# Altium PCB PCB_proj_module.PcbDoc (part 2 of 3)
Units mil, origin at the board's own origin, x right, y up, seen from the top; angles counter-clockwise.
Board outline 6000 x 4000 mil, 2 copper layers (Top Layer, Bottom Layer); 512 components, 452 nets, 1877 pads, 0 vias.
Unrouted connection lines stored in the file: 1267.
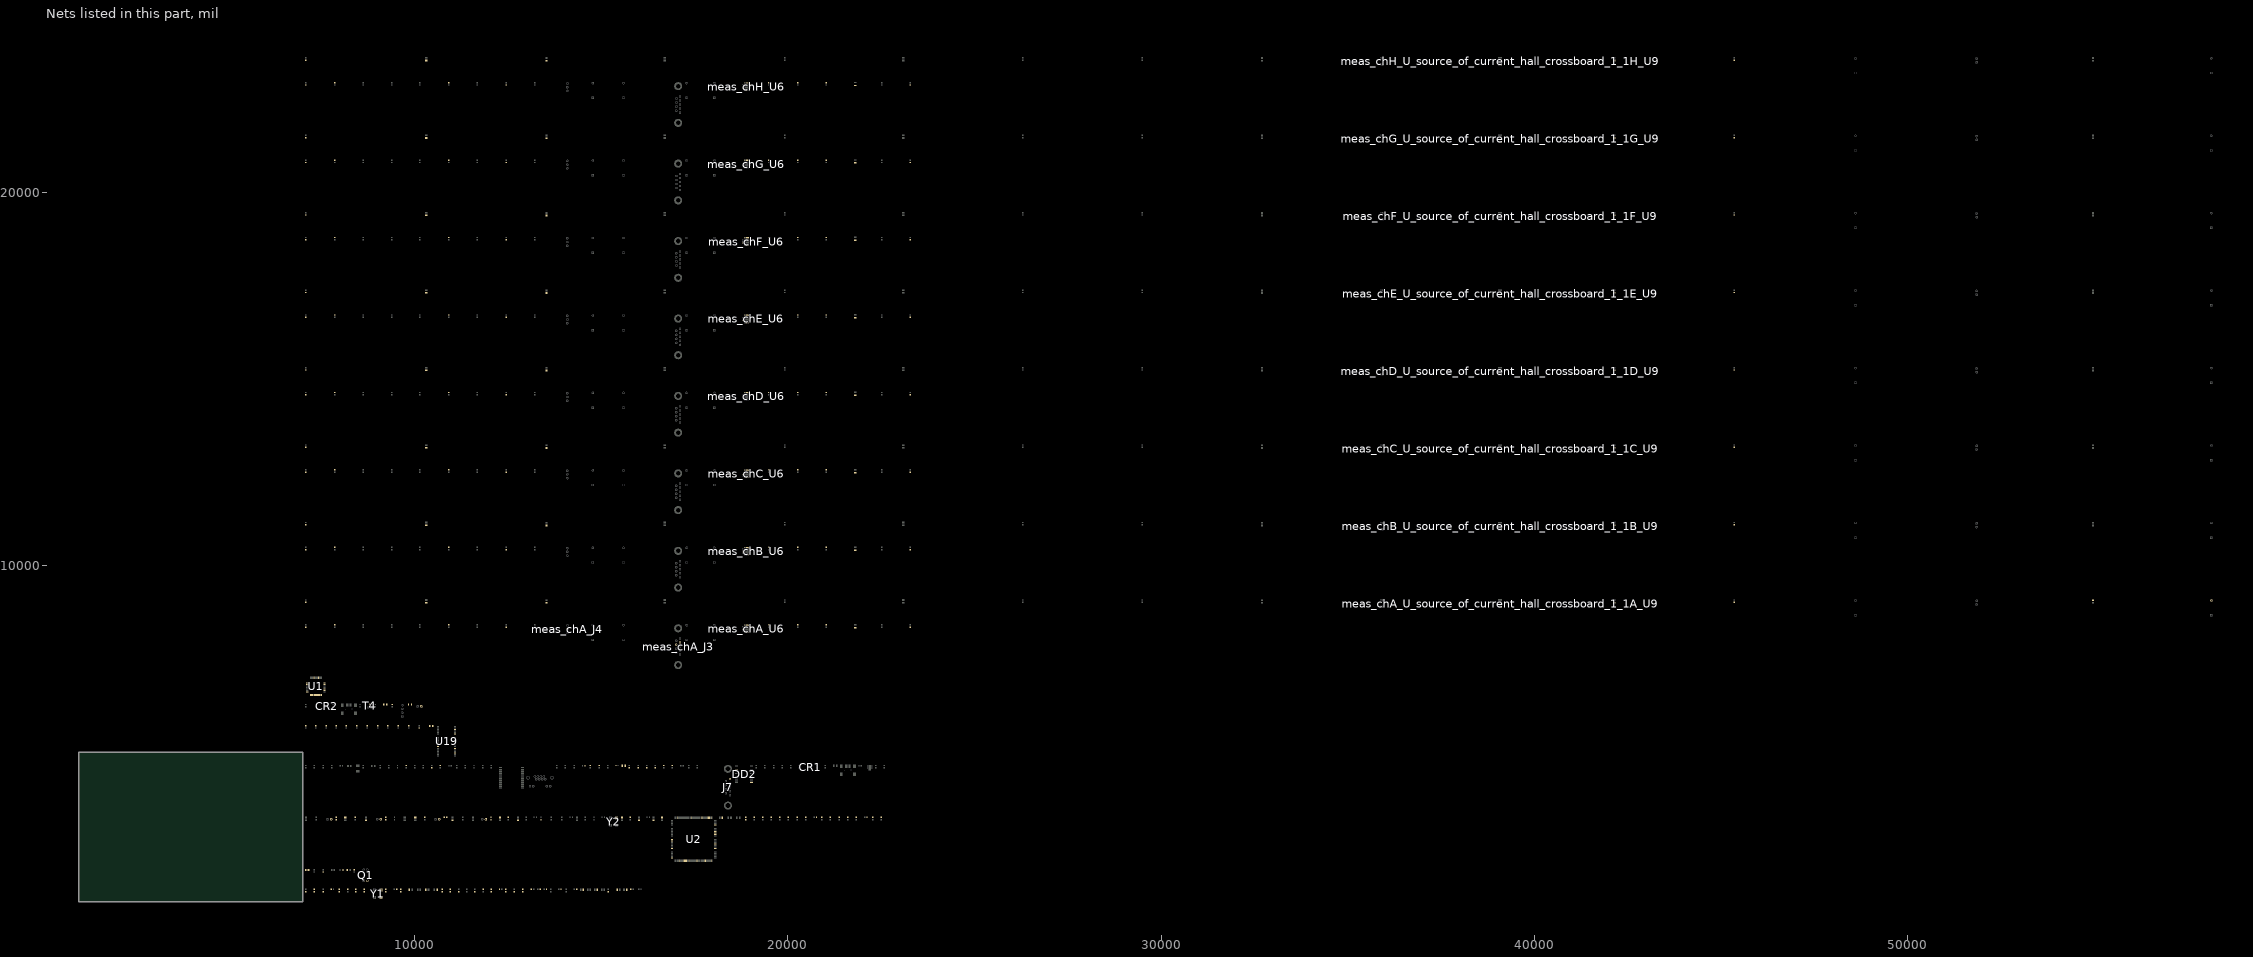
[diagram p2: the nets of this part, all layers, seen from the top]

## Components (designator, comment, footprint, x,y, rotation, side; value= is the part's Value field where it differs from the comment) (continued)
meas_chH_U_source_of_current_hall_crossboard_1_1H_R86 "RN73C2A 2k49 +-10ppm/C" 0805R 13530,23530 r90 top value=10K (schematic designator R86)
meas_chH_U_source_of_current_hall_crossboard_1_1H_TP14 "OSC_TP" TP2 58140,23205 r90 top (schematic designator TP14)
meas_chH_U_source_of_current_hall_crossboard_1_1H_TP15 "OSC_TP" TP2 48605,23205 r90 top (schematic designator TP15)
meas_chH_U_source_of_current_hall_crossboard_1_1H_U9 "OPA140AIDGKT" SOP65P490X110-8N 39080,23515 r90 top
meas_chH_U_source_of_current_hall_crossboard_1_1H_U20 "LTC6655BHMS8-2.5#PBF" SOP65P490X110-8N 35910,23515 r90 top (schematic designator U20)
Q1 "817B" DIP4-300 8685,1710 r90 top
R1 "1k" 0603R 14310,1330 r0 top
R2 "10k" 0603R 9485,1330 r0 top
R3 "1k" 0603R 16035,1330 r0 top
R4 "1k" 0603R 12305,1330 r0 top
R14 "1K" 0603R 7365,6255 r90 top value=10K
R15 "100k" 0603R 12445,1300 r90 top
R16 "1k" 0603R 12055,1300 r90 top
R17 "1k" 0603R 10955,1300 r90 top
R18 "1k" 0603R 10735,1300 r90 top
R19 "1k" 0603R 7545,1300 r90 top
R20 "1k" 0603R 9625,1300 r90 top
R21 "1k" 0603R 15825,1330 r0 top
R22 "1k" 0603R 9225,1300 r90 top
R23 "1k" 0603R 15190,1300 r90 top
R24 "1k" 0603R 8655,1300 r90 top
R25 "1k" 0603R 12665,1300 r90 top
R26 "100k" 0603R 12895,1300 r90 top
R27 "1k" 0603R 7085,1300 r90 top
R28 "100k" 0603R 7315,1300 r90 top
R29 "1k" 0603R 8425,1300 r90 top
R30 "1k" 0603R 7975,1300 r90 top
R31 "1k" 0603R 7795,1330 r0 top
R32 "3k" 0603R 14805,3230 r90 top
R34 "3k" 0603R 14575,3230 r90 top
R35 "3k" 0603R 13945,3230 r90 top
R36 "51" 0603R 20770,4620 r90 top value=10K
R37 "51" 0603R 20305,4620 r90 top value=10K
R38 "1k" 0603R 19155,4620 r90 top
R39 "10k" 0603R 16675,4620 r90 top value=1K
R40 "0" 0603R 15755,4620 r90 top value=10K
R41 "1k" 0603R 14530,4650 r0 top
R42 "1k" 0603R 14710,4620 r90 top
R43 "1k" 0603R 14940,4620 r90 top
R44 "50" 0603R 15170,4620 r90 top
R45 "50" 0603R 14040,4620 r90 top
R46 "50" 0603R 13810,4620 r90 top
R47 "50" 0603R 12050,4620 r90 top
R48 "33" 0603R 11820,4620 r90 top value=10K
R49 "33" 0603R 11590,4620 r90 top value=10K
R50 "1k" 0603R 11360,4620 r90 top
R51 "33" 0603R 10950,4650 r0 top value=10K
R52 "12K1" 0603R 11130,4620 r90 top value=10K
R53 "1K5" 0603R 10690,4620 r90 top
R54 "1k" 0603R 10460,4620 r90 top
R55 "33" 0603R 10230,4620 r90 top value=10K
R56 "1k" 0603R 9310,4620 r90 top
R57 "1k" 0603R 9080,4620 r90 top
R58 "1k" 0603R 8620,4620 r90 top
R63 "3k" 0603R 12985,3230 r90 top
R69 "3k" 0603R 12045,3230 r90 top
R71 "3k" 0603R 10825,3260 r0 top
R73 "3k" 0603R 9230,3230 r90 top
R75 "3k" 0603R 7900,3230 r90 top
R87 "1k" 0603R 8945,6255 r90 top
R88 "1k" 0603R 8535,6255 r90 top
R89 "1K" 0603R 7815,6255 r90 top value=10K
R92 "100k" 0805R 16630,3180 r90 top
R93 "100k" 0805R 16400,3180 r90 top
R94 "10k" 0805R 16015,3180 r90 top
R95 "43k" 0805R 15555,3180 r90 top value=10K
R96 "4k3" 0805R 14350,3180 r90 top
R97 "100k" 0805R 12765,3180 r90 top
R98 "30k" 0805R 12285,3180 r90 top
R99 "4k3" 0805R 11565,3180 r90 top
R100 "100k" 0805R 11015,3180 r90 top
R101 "30k" 0805R 10015,3180 r90 top
R103 "4k3" 0805R 9735,3180 r90 top
R105 "100k" 0805R 8700,3180 r90 top
R106 "30k" 0805R 8140,3180 r90 top
R107 "4k3" 0805R 7090,3180 r90 top
T1 "H5007NL" SOIC127P1600X551-24N 12595,4320 r0 top
T4 "Device" SOT-23 8760,6205 r0 top
U1 "AD7768BSTZ" ST-64-2_ADI-M 7355,6770 r0 top
U2 "STM32F756BGT6" QFP50P3000X3000X160-208N 17475,2675 r0 top
U19 "IS42S32400F-6TL" SOP50P1176X120-86N 10855,5300 r0 top
X1 "X53T-C20SSA-25.000MHz" XTAL_2SM_5R0X3R2 8475,4570 r90 top
X2 "USB_mini" TYCO_1734035-1 8235,6270 r0 top
Y1 "CB3LV-6C-8M000000" OSC_CB3LV-6C-8M000000 9010,1215 r0 top
Y2 "CB3LV-6C-8M000000" OSC_CB3LV-6C-8M000000 15330,3145 r0 top

## Footprints (in the part's own frame and the unit in brackets; to place one, negate y for a bottom-side part, rotate by r counter-clockwise, add the part's x,y. Pads: shape width x height; smd on the part's side, far side on the other; paste and mask are expansions set on the pad)
0603C [mm] "Chip Capacitor, Body 1.6x0.8mm, Height 1.0mm, IPC Medium Density"
  rect 0.9x1 smd: 1(-0.8,0) 2(0.8,0)
  silkscreen extent -0.05,-0.4 0.05,0.4, body extent -0.87,-0.48 0.88,0.47, height 1
0603L [mil] "Bead 0603L"
  rect 30x30 smd: 1(27.5,0) 2(-27.5,0)
  silkscreen extent -2,-16 2,16, body extent -34,-19 34,19, height 24
0603R [mm] "Chip Resistor, Body 1.6x0.8mm, IPC Medium Density"
  rect 0.9x1 smd: 1(-0.8,0) 2(0.8,0)
  silkscreen extent -0.05,-0.4 0.05,0.4, body extent -0.85,-0.47 0.85,0.47, height 0.6
0805C [mm] "Chip Capacitor, Body 2.0x1.25mm, IPC Medium Density"
  rect 1.1x1.45 smd: 1(-0.9,0) 2(0.9,0)
  body extent -1.05,-0.67 1.05,0.68, height 0.9
0805R [mm]
  rect 1.2x1.4 smd: 1(0.102,0.002) 2(1.902,0.002)
  silkscreen extent -0.75,-0.95 2.75,0.95, body extent 0,-0.63 2,0.63, height 0.51
AMPHENOL_L717DFE09P1ATN [mm] "Right Angled D-Sub 9 Male Contacts with Metal Bracket and Front Female Screwlock (UNC4-40)"
  round 1.6 hole 0.9: 1(5.48,-1.27) 2(2.74,-1.27) 3(0,-1.27) 4(-2.74,-1.27) 5(-5.48,-1.27) 6(4.11,1.27) 7(1.37,1.27) 8(-1.37,1.27) 9(-4.11,1.27)
  round 5.5 hole 3.2: 10(-12.495,0) 11(12.495,0)
  silkscreen extent -15.6,-2.93 15.6,17.67, body extent -15.6,-2.93 15.6,17.67, height 13.45
AMPHENOL_RJHSE-5381 [mm] "1 Port, 8 Positions, CAT5 RJ45 Modular Connector With Yellow And Green LEDs"
  round 1.6 hole 0.9: 1(-3.554,0.886) 2(-2.538,-0.894) 3(-1.522,0.886) 4(-0.506,-0.894) 5(0.51,0.886) 6(1.526,-0.894) 7(2.542,0.886) 8(3.558,-0.894) 9(-6.862,-5.714) 10(-4.572,-5.714) 11(4.568,-5.714) 12(6.858,-5.714)
  round 1 hole 3.2 unplated mask+1.1: M1(-6.352,3.426) M2(6.348,3.426)
  round 2.3 hole 1.6: SHIELD(-8.132,-0.004) SHIELD(8.128,-0.004)
  silkscreen extent -8.26,-7.04 8.25,9.17, body extent -8.42,-7.04 8.41,9.17, height 15.14
COMATEL_385.0358.1.03.400 [mm] "3 Contacts Straight Strip Header Pitch 2.54mm L=6.3mm ''Mini-Wire-Wrap''"
  round 1.6 hole 0.9: 1(0,0) 2(2.54,0) 3(5.08,0)
  silkscreen extent -1.27,-1.23 6.35,1.93, body extent -1.27,-1.22 6.35,1.23, height 8
CP-28-10_ADI-M [mil]
  rect 39x10 smd paste+0 mask+0: 1(-97,59.06) 2(-97,39.37) 3(-97,19.69) 4(-97,0) 5(-97,-19.69) 6(-97,-39.37) 7(-97,-59.06) 15(97,-59.06) 16(97,-39.37) 17(97,-19.69) 18(97,0) 19(97,19.69) 20(97,39.37) 21(97,59.06)
  rect 10x39 smd paste+0 mask+0: 8(-59.06,-97) 9(-39.37,-97) 10(-19.68,-97) 11(0,-97) 12(19.68,-97) 13(39.37,-97) 14(59.06,-97) 22(59.06,97) 23(39.37,97) 24(19.68,97) 25(0,97) 26(-19.68,97) 27(-39.37,97) 28(-59.06,97)
  rect 128x128 smd paste-64 mask+0: 29(0,0)
  silkscreen extent -106,-136 136,106, body extent -101,-101 101,101, height 32
DFN_12-045 [mm] "0.45mm pitch 12pin"
  rect 0.8x0.25 smd: 1(0,0) 2(0,-0.45) 3(0,-0.9) 4(0,-1.35) 5(0,-1.8) 6(0,-2.25) 7(3,-2.25) 8(3,-1.8) 9(3,-1.35) 10(3,-0.9) 11(3,-0.45) 12(3,0)
  rect 1.6x4 smd: 13(1.5,-1.15)
  silkscreen extent -1.15,-3.4 3.55,1.17, body extent 0,-2.63 3,0.38, height 0.75
DIP4-300 [mm] "DIP 4 Leads, Row Spacing 7.62 mm; Pitch 2.54 mm"
  rect 1.5x1.5 hole 0.9: 1(-3.81,1.27)
  round 1.5 hole 0.9: 2(-3.81,-1.27) 3(3.81,-1.27) 4(3.81,1.27)
  silkscreen extent -2.65,-2.61 2.65,2.61, body extent -3.93,-2.54 3.94,2.54, height 5.33
HDR_1x4_2R54_V_M [mm] "Male Header, Pitch 2.54mm, 4x1 Position, Mated Height 6mm, Tail Length 3mm"
  rect 1.5x1.5 hole 1.02: 1(0,0)
  round 1.5 hole 1.02: 2(2.54,0) 3(5.08,0) 4(7.62,0)
  silkscreen extent -1.27,-1.27 8.89,1.76, body extent -1.27,-1.27 8.89,1.27, height 9
LED0603 [mm] "Chip LED 0603, Body 2.25x1mm"
  rect 0.8x1 smd: 1(-0.6,0) 2(1.05,0)
  silkscreen extent 0,-0.5 0,0.5, body extent -0.67,-0.48 1.22,0.48, height 0.95
OSC_CB3LV-6C-8M000000 [mm]
  rect 2x1.8 smd: 1(-2.1,2.54) 2(-2.1,-2.54) 3(2.1,-2.54) 4(2.1,2.54)
  silkscreen extent -3.95,-3.5 2.5,3.5, body extent -2.5,-3.5 2.5,3.5, height 1.8
QFP50P3000X3000X160-208N [mm]
  rrect25% 1.52x0.28 smd: 1(-14.675,12.75) 2(-14.675,12.25) 3(-14.675,11.75) 4(-14.675,11.25) 5(-14.675,10.75) 6(-14.675,10.25) 7(-14.675,9.75) 8(-14.675,9.25) 9(-14.675,8.75) 10(-14.675,8.25) 11(-14.675,7.75) 12(-14.675,7.25) 13(-14.675,6.75) 14(-14.675,6.25) 15(-14.675,5.75) 16(-14.675,5.25) 17(-14.675,4.75) 18(-14.675,4.25) 19(-14.675,3.75) 20(-14.675,3.25) 21(-14.675,2.75) 22(-14.675,2.25) 23(-14.675,1.75) 24(-14.675,1.25) 25(-14.675,0.75) 26(-14.675,0.25) 27(-14.675,-0.25) 28(-14.675,-0.75) 29(-14.675,-1.25) 30(-14.675,-1.75) 31(-14.675,-2.25) 32(-14.675,-2.75) 33(-14.675,-3.25) 34(-14.675,-3.75) 35(-14.675,-4.25) 36(-14.675,-4.75) 37(-14.675,-5.25) 38(-14.675,-5.75) 39(-14.675,-6.25) 40(-14.675,-6.75) 41(-14.675,-7.25) 42(-14.675,-7.75) 43(-14.675,-8.25) 44(-14.675,-8.75) 45(-14.675,-9.25) 46(-14.675,-9.75) 47(-14.675,-10.25) 48(-14.675,-10.75) 49(-14.675,-11.25) 50(-14.675,-11.75) 51(-14.675,-12.25) 52(-14.675,-12.75) 105(14.675,-12.75) 106(14.675,-12.25) 107(14.675,-11.75) 108(14.675,-11.25) 109(14.675,-10.75) 110(14.675,-10.25) 111(14.675,-9.75) 112(14.675,-9.25) 113(14.675,-8.75) 114(14.675,-8.25) 115(14.675,-7.75) 116(14.675,-7.25) 117(14.675,-6.75) 118(14.675,-6.25) 119(14.675,-5.75) 120(14.675,-5.25) 121(14.675,-4.75) 122(14.675,-4.25) 123(14.675,-3.75) 124(14.675,-3.25) 125(14.675,-2.75) 126(14.675,-2.25) 127(14.675,-1.75) 128(14.675,-1.25) 129(14.675,-0.75) 130(14.675,-0.25) 131(14.675,0.25) 132(14.675,0.75) 133(14.675,1.25) 134(14.675,1.75) 135(14.675,2.25) 136(14.675,2.75) 137(14.675,3.25) 138(14.675,3.75) 139(14.675,4.25) 140(14.675,4.75) 141(14.675,5.25) 142(14.675,5.75) 143(14.675,6.25) 144(14.675,6.75) 145(14.675,7.25) 146(14.675,7.75) 147(14.675,8.25) 148(14.675,8.75) 149(14.675,9.25) 150(14.675,9.75) 151(14.675,10.25) 152(14.675,10.75) 153(14.675,11.25) 154(14.675,11.75) 155(14.675,12.25) 156(14.675,12.75)
  rrect25% 0.28x1.52 smd: 53(-12.75,-14.675) 54(-12.25,-14.675) 55(-11.75,-14.675) 56(-11.25,-14.675) 57(-10.75,-14.675) 58(-10.25,-14.675) 59(-9.75,-14.675) 60(-9.25,-14.675) 61(-8.75,-14.675) 62(-8.25,-14.675) 63(-7.75,-14.675) 64(-7.25,-14.675) 65(-6.75,-14.675) 66(-6.25,-14.675) 67(-5.75,-14.675) 68(-5.25,-14.675) 69(-4.75,-14.675) 70(-4.25,-14.675) 71(-3.75,-14.675) 72(-3.25,-14.675) 73(-2.75,-14.675) 74(-2.25,-14.675) 75(-1.75,-14.675) 76(-1.25,-14.675) 77(-0.75,-14.675) 78(-0.25,-14.675) 79(0.25,-14.675) 80(0.75,-14.675) 81(1.25,-14.675) 82(1.75,-14.675) 83(2.25,-14.675) 84(2.75,-14.675) 85(3.25,-14.675) 86(3.75,-14.675) 87(4.25,-14.675) 88(4.75,-14.675) 89(5.25,-14.675) 90(5.75,-14.675) 91(6.25,-14.675) 92(6.75,-14.675) 93(7.25,-14.675) 94(7.75,-14.675) 95(8.25,-14.675) 96(8.75,-14.675) 97(9.25,-14.675) 98(9.75,-14.675) 99(10.25,-14.675) 100(10.75,-14.675) 101(11.25,-14.675) 102(11.75,-14.675) 103(12.25,-14.675) 104(12.75,-14.675) 157(12.75,14.675) 158(12.25,14.675) 159(11.75,14.675) 160(11.25,14.675) 161(10.75,14.675) 162(10.25,14.675) 163(9.75,14.675) 164(9.25,14.675) 165(8.75,14.675) 166(8.25,14.675) 167(7.75,14.675) 168(7.25,14.675) 169(6.75,14.675) 170(6.25,14.675) 171(5.75,14.675) 172(5.25,14.675) 173(4.75,14.675) 174(4.25,14.675) 175(3.75,14.675) 176(3.25,14.675) 177(2.75,14.675) 178(2.25,14.675) 179(1.75,14.675) 180(1.25,14.675) 181(0.75,14.675) 182(0.25,14.675) 183(-0.25,14.675) 184(-0.75,14.675) 185(-1.25,14.675) 186(-1.75,14.675) 187(-2.25,14.675) 188(-2.75,14.675) 189(-3.25,14.675) 190(-3.75,14.675) 191(-4.25,14.675) 192(-4.75,14.675) 193(-5.25,14.675) 194(-5.75,14.675) 195(-6.25,14.675) 196(-6.75,14.675) 197(-7.25,14.675) 198(-7.75,14.675) 199(-8.25,14.675) 200(-8.75,14.675) 201(-9.25,14.675) 202(-9.75,14.675) 203(-10.25,14.675) 204(-10.75,14.675) 205(-11.25,14.675) 206(-11.75,14.675) 207(-12.25,14.675) 208(-12.75,14.675)
  silkscreen extent -16.49,-14 14,14, body extent -15,-15 15,15, height 1.6
RESC2012X50N [mm] "Chip Resistor, EIA 0805, Metric 2012, Body 2.0x1.25mm, IPC Medium Density"
  rect 0.95x1.45 smd: 1(-1,0) 2(1,0)
  silkscreen extent 0,-0.55 0,0.55, body extent -1.1,-0.67 1.1,0.68, height 0.5
SAMTEC_TSW-102-23-L-S [mm] "2 Contacts - Pitch 2.54mm - Single Row  Through Mount Straigh Header (Post Lead 5.84mm, Tail Lead 2.92mm, Insulator 2.54mm)"
  round 1.7 hole 1: 1(0,0) 2(2.54,0)
  silkscreen extent -1.27,-1.27 3.81,1.93, body extent -1.27,-1.27 3.81,1.27, height 8.38
SOIC127P1032X265-20N [mm] "SOIC, 1.27mm pitch; 20 pin, 7.50mm W X 12.80mm L X 2.65mm H body, IPC Medium Density"
  rect 2.2x0.6 smd: 1(-5.15,5.715) 2(-5.15,4.445) 3(-5.15,3.175) 4(-5.15,1.905) 5(-5.15,0.635) 6(-5.15,-0.635) 7(-5.15,-1.905) 8(-5.15,-3.175) 9(-5.15,-4.445) 10(-5.15,-5.715) 11(5.15,-5.715) 12(5.15,-4.445) 13(5.15,-3.175) 14(5.15,-1.905) 15(5.15,-0.635) 16(5.15,0.635) 17(5.15,1.905) 18(5.15,3.175) 19(5.15,4.445) 20(5.15,5.715)
  silkscreen extent -5.52,-6.4 3.32,6.67, body extent -5.18,-6.5 5.18,6.5, height 1.68
SOIC127P1600X551-24N [mm]
  rect 2.15x0.85 smd: 1(-7.4,6.985) 2(-7.4,5.715) 3(-7.4,4.445) 4(-7.4,3.175) 5(-7.4,1.905) 6(-7.4,0.635) 7(-7.4,-0.635) 8(-7.4,-1.905) 9(-7.4,-3.175) 10(-7.4,-4.445) 11(-7.4,-5.715) 12(-7.4,-6.985) 13(7.4,-6.985) 14(7.4,-5.715) 15(7.4,-4.445) 16(7.4,-3.175) 17(7.4,-1.905) 18(7.4,-0.635) 19(7.4,0.635) 20(7.4,1.905) 21(7.4,3.175) 22(7.4,4.445) 23(7.4,5.715) 24(7.4,6.985)
  silkscreen extent -8.47,-8.76 5.97,8.76
SOP50P1176X120-86N [mm] "SOP, 0.50mm, pitch; 86 pin, 10.16mm W X 22.22mm L X 1.20mm H body, IPC Medium Density"
  rect 1.3x0.3 smd: 1(-5.7,10.5) 2(-5.7,10) 3(-5.7,9.5) 4(-5.7,9) 5(-5.7,8.5) 6(-5.7,8) 7(-5.7,7.5) 8(-5.7,7) 9(-5.7,6.5) 10(-5.7,6) 11(-5.7,5.5) 12(-5.7,5) 13(-5.7,4.5) 14(-5.7,4) 15(-5.7,3.5) 16(-5.7,3) 17(-5.7,2.5) 18(-5.7,2) 19(-5.7,1.5) 20(-5.7,1) 21(-5.7,0.5) 22(-5.7,0) 23(-5.7,-0.5) 24(-5.7,-1) 25(-5.7,-1.5) 26(-5.7,-2) 27(-5.7,-2.5) 28(-5.7,-3) 29(-5.7,-3.5) 30(-5.7,-4) 31(-5.7,-4.5) 32(-5.7,-5) 33(-5.7,-5.5) 34(-5.7,-6) 35(-5.7,-6.5) 36(-5.7,-7) 37(-5.7,-7.5) 38(-5.7,-8) 39(-5.7,-8.5) 40(-5.7,-9) 41(-5.7,-9.5) 42(-5.7,-10) 43(-5.7,-10.5) 44(5.7,-10.5) 45(5.7,-10) 46(5.7,-9.5) 47(5.7,-9) 48(5.7,-8.5) 49(5.7,-8) 50(5.7,-7.5) 51(5.7,-7) 52(5.7,-6.5) 53(5.7,-6) 54(5.7,-5.5) 55(5.7,-5) 56(5.7,-4.5) 57(5.7,-4) 58(5.7,-3.5) 59(5.7,-3) 60(5.7,-2.5) 61(5.7,-2) 62(5.7,-1.5) 63(5.7,-1) 64(5.7,-0.5) 65(5.7,0) 66(5.7,0.5) 67(5.7,1) 68(5.7,1.5) 69(5.7,2) 70(5.7,2.5) 71(5.7,3) 72(5.7,3.5) 73(5.7,4) 74(5.7,4.5) 75(5.7,5) 76(5.7,5.5) 77(5.7,6) 78(5.7,6.5) 79(5.7,7) 80(5.7,7.5) 81(5.7,8) 82(5.7,8.5) 83(5.7,9) 84(5.7,9.5) 85(5.7,10) 86(5.7,10.5)
  silkscreen extent -6.22,-11.1 4.72,11.27, body extent -5.97,-11.15 5.97,11.15, height 1.2
SOP65P490X110-8N [mm] "SOP, 0.65mm pitch; 8 pin, 3.00mm W X 3.00mm L X 1.10mm H body, IPC Medium Density"
  rect 1.5x0.45 smd: 1(-2.2,0.975) 2(-2.2,0.325) 3(-2.2,-0.325) 4(-2.2,-0.975) 5(2.2,-0.975) 6(2.2,-0.325) 7(2.2,0.325) 8(2.2,0.975)
  silkscreen extent -2.82,-1.5 1.12,1.82, body extent -2.45,-1.55 2.45,1.55, height 1.1
SOT-23 [mil]
  rect 44x44 smd: 1(0,0) 2(80,0) 3(40,87)
  body extent -22,-4 96,94, height 43
SOTT323-6L_STM-M [mil]
  rect 42.5x14 smd paste+0 mask+0: 1(-47.75,25.59) 2(-47.75,0) 3(-47.75,-25.59) 4(47.75,-25.59) 5(47.75,0) 6(47.75,25.59)
  silkscreen extent -32,-48 32,48, body extent -47,-44 47,44, height 43
ST-64-2_ADI-M [mil]
  rect 61x11 smd paste+0 mask+0: 1(-231.5,147.64) 2(-231.5,127.95) 3(-231.5,108.27) 4(-231.5,88.58) 5(-231.5,68.9) 6(-231.5,49.21) 7(-231.5,29.53) 8(-231.5,9.84) 9(-231.5,-9.84) 10(-231.5,-29.53) 11(-231.5,-49.21) 12(-231.5,-68.9) 13(-231.5,-88.58) 14(-231.5,-108.27) 15(-231.5,-127.95) 16(-231.5,-147.64) 33(231.5,-147.64) 34(231.5,-127.95) 35(231.5,-108.27) 36(231.5,-88.58) 37(231.5,-68.9) 38(231.5,-49.21) 39(231.5,-29.53) 40(231.5,-9.84) 41(231.5,9.84) 42(231.5,29.53) 43(231.5,49.21) 44(231.5,68.9) 45(231.5,88.58) 46(231.5,108.27) 47(231.5,127.95) 48(231.5,147.64)
  rect 11x61 smd paste+0 mask+0: 17(-147.64,-231.5) 18(-127.95,-231.5) 19(-108.27,-231.5) 20(-88.58,-231.5) 21(-68.9,-231.5) 22(-49.21,-231.5) 23(-29.53,-231.5) 24(-9.84,-231.5) 25(9.84,-231.5) 26(29.53,-231.5) 27(49.21,-231.5) 28(68.9,-231.5) 29(88.58,-231.5) 30(108.27,-231.5) 31(127.95,-231.5) 32(147.64,-231.5) 49(147.64,231.5) 50(127.95,231.5) 51(108.27,231.5) 52(88.58,231.5) 53(68.9,231.5) 54(49.21,231.5) 55(29.53,231.5) 56(9.84,231.5) 57(-9.84,231.5) 58(-29.53,231.5) 59(-49.21,231.5) 60(-68.9,231.5) 61(-88.58,231.5) 62(-108.27,231.5) 63(-127.95,231.5) 64(-147.64,231.5)
  silkscreen extent -282,-282 282,282, body extent -240,-240 240,240, height 63
TP2 [mm]
  rect 1.6x1.6 hole 1.1: 1(0,0)
  round 1.6 hole 1: 2(10,0)
  silkscreen extent -1.27,-1.27 11,1.27
TYCO_1734035-1 [mm] "SMD, Right Angle, 5 Position, Type B, Mini USB Receptacle"
  rect 0.5x2.3 smd: 1(-1.575,0) 2(-0.8,0) 3(0,0) 4(0.8,0) 5(1.6,0)
  rect 2x2.5 smd: 6(-4.45,-5.6) 6(-4.45,-0.1) 6(4.45,-5.6) 6(4.45,-0.1)
  round 0.5 hole 0.9 unplated mask+0.2: MTG1(-2.2,-2.6) MTG2(2.2,-2.6)
  silkscreen extent -4.35,-8.5 4.35,0.7, body extent -4.95,-8.5 4.95,0.7, height 4.14
TYCO_5747844-5 [mm] "Right Angle 9 Female Contacts D-SUB Connector With PCB Mount Retention , Grounding Straps, and Fixed UNC 4-40 Female Screwlocks"
  round 1.5 hole 0.9: 1(-5.48,-1.422) 2(-2.74,-1.422) 3(0,-1.422) 4(2.74,-1.422) 5(5.48,-1.422) 6(-4.11,1.422) 7(-1.37,1.422) 8(1.37,1.422) 9(4.11,1.422)
  round 5.5 hole 3.2: 10(-12.495,0) 11(12.495,0)
  silkscreen extent -15.49,-3.19 15.49,15.6, body extent -15.49,-3.18 15.49,15.71, height 12.55
XTAL_2SM_5R0X3R2 [mm] "CRYSTAL 25M Hz  30F SMD 2 pads"
  rect 1.8x2.2 smd: 1(-1.9,0) 2(1.9,0)
  silkscreen extent -0.4,-1.27 0.4,1.27, body extent -2.5,-1.6 2.5,1.6, height 1.3

## Part data
C1 C2 C3 C4 C5 C6 C7 C8 C9 C10 C11 C12 C13 C14 C15 C16 C17 C18 C19 C20 C21 C22 C23 C24 C25 C26 C27 C28 C29 C30 C31 C32 C33 C34 C35 C36 C37 C38 C39 C40 C41 C42 C45 C58 C60 C61 C62 C63 C64 C65 C66 C67 C68 C69 C70 C71 C72 C73 C74 C75 C76 C77 C78 C79 C80 C81 C82 C83 C84 C86 C97 C100 C102 C103 C111 C115 C116 C117 C118 C119 C120 C121 C122 C123 C124 C125 C126 C127 C128 C129 C130 C132 meas_chA_C46 meas_chA_C47 meas_chA_C48 meas_chA_C49 meas_chA_C50 meas_chA_C55 meas_chA_C56 meas_chA_C136 meas_chA_U_source_of_current_hall_crossboard_1_1A_C89 meas_chA_U_source_of_current_hall_crossboard_1_1A_C107 meas_chA_U_source_of_current_hall_crossboard_1_1A_C109 meas_chA_U_source_of_current_hall_crossboard_1_1A_C131 meas_chA_U_source_of_current_hall_crossboard_1_1A_C133 meas_chA_U_source_of_current_hall_crossboard_1_1A_C134 meas_chA_U_source_of_current_hall_crossboard_1_1A_C135 meas_chA_U_source_of_current_hall_crossboard_1_1A_C141 meas_chA_U_source_of_current_hall_crossboard_1_1A_C142 meas_chB_C46 meas_chB_C47 meas_chB_C48 meas_chB_C49 meas_chB_C50 meas_chB_C55 meas_chB_C56 meas_chB_C136 meas_chB_U_source_of_current_hall_crossboard_1_1B_C89 meas_chB_U_source_of_current_hall_crossboard_1_1B_C107 meas_chB_U_source_of_current_hall_crossboard_1_1B_C109 meas_chB_U_source_of_current_hall_crossboard_1_1B_C131 meas_chB_U_source_of_current_hall_crossboard_1_1B_C133 meas_chB_U_source_of_current_hall_crossboard_1_1B_C134 meas_chB_U_source_of_current_hall_crossboard_1_1B_C135 meas_chB_U_source_of_current_hall_crossboard_1_1B_C141 meas_chB_U_source_of_current_hall_crossboard_1_1B_C142 meas_chC_C46 meas_chC_C47 meas_chC_C48 meas_chC_C49 meas_chC_C50 meas_chC_C55 meas_chC_C56 meas_chC_C136 meas_chC_U_source_of_current_hall_crossboard_1_1C_C89 meas_chC_U_source_of_current_hall_crossboard_1_1C_C107 meas_chC_U_source_of_current_hall_crossboard_1_1C_C109 meas_chC_U_source_of_current_hall_crossboard_1_1C_C131 meas_chC_U_source_of_current_hall_crossboard_1_1C_C133 meas_chC_U_source_of_current_hall_crossboard_1_1C_C134 meas_chC_U_source_of_current_hall_crossboard_1_1C_C135 meas_chC_U_source_of_current_hall_crossboard_1_1C_C141 meas_chC_U_source_of_current_hall_crossboard_1_1C_C142 meas_chD_C46 meas_chD_C47 meas_chD_C48 meas_chD_C49 meas_chD_C50 meas_chD_C55 meas_chD_C56 meas_chD_C136 meas_chD_U_source_of_current_hall_crossboard_1_1D_C89 meas_chD_U_source_of_current_hall_crossboard_1_1D_C107 meas_chD_U_source_of_current_hall_crossboard_1_1D_C109 meas_chD_U_source_of_current_hall_crossboard_1_1D_C131 meas_chD_U_source_of_current_hall_crossboard_1_1D_C133 meas_chD_U_source_of_current_hall_crossboard_1_1D_C134 meas_chD_U_source_of_current_hall_crossboard_1_1D_C135 meas_chD_U_source_of_current_hall_crossboard_1_1D_C141 meas_chD_U_source_of_current_hall_crossboard_1_1D_C142 meas_chE_C46 meas_chE_C47 meas_chE_C48 meas_chE_C49 meas_chE_C50 meas_chE_C55 meas_chE_C56 meas_chE_C136 meas_chE_U_source_of_current_hall_crossboard_1_1E_C89 meas_chE_U_source_of_current_hall_crossboard_1_1E_C107 meas_chE_U_source_of_current_hall_crossboard_1_1E_C109 meas_chE_U_source_of_current_hall_crossboard_1_1E_C131 meas_chE_U_source_of_current_hall_crossboard_1_1E_C133 meas_chE_U_source_of_current_hall_crossboard_1_1E_C134 meas_chE_U_source_of_current_hall_crossboard_1_1E_C135 meas_chE_U_source_of_current_hall_crossboard_1_1E_C141 meas_chE_U_source_of_current_hall_crossboard_1_1E_C142 meas_chF_C46 meas_chF_C47 meas_chF_C48 meas_chF_C49 meas_chF_C50 meas_chF_C55 meas_chF_C56 meas_chF_C136 meas_chF_U_source_of_current_hall_crossboard_1_1F_C89 meas_chF_U_source_of_current_hall_crossboard_1_1F_C107 meas_chF_U_source_of_current_hall_crossboard_1_1F_C109 meas_chF_U_source_of_current_hall_crossboard_1_1F_C131 meas_chF_U_source_of_current_hall_crossboard_1_1F_C133 meas_chF_U_source_of_current_hall_crossboard_1_1F_C134 meas_chF_U_source_of_current_hall_crossboard_1_1F_C135 meas_chF_U_source_of_current_hall_crossboard_1_1F_C141 meas_chF_U_source_of_current_hall_crossboard_1_1F_C142 meas_chG_C46 meas_chG_C47 meas_chG_C48 meas_chG_C49 meas_chG_C50 meas_chG_C55 meas_chG_C56 meas_chG_C136 meas_chG_U_source_of_current_hall_crossboard_1_1G_C89 meas_chG_U_source_of_current_hall_crossboard_1_1G_C107 meas_chG_U_source_of_current_hall_crossboard_1_1G_C109 meas_chG_U_source_of_current_hall_crossboard_1_1G_C131 meas_chG_U_source_of_current_hall_crossboard_1_1G_C133 meas_chG_U_source_of_current_hall_crossboard_1_1G_C134 meas_chG_U_source_of_current_hall_crossboard_1_1G_C135 meas_chG_U_source_of_current_hall_crossboard_1_1G_C141 meas_chG_U_source_of_current_hall_crossboard_1_1G_C142 meas_chH_C46 meas_chH_C47 meas_chH_C48 meas_chH_C49 meas_chH_C50 meas_chH_C55 meas_chH_C56 meas_chH_C136 meas_chH_U_source_of_current_hall_crossboard_1_1H_C89 meas_chH_U_source_of_current_hall_crossboard_1_1H_C107 meas_chH_U_source_of_current_hall_crossboard_1_1H_C109 meas_chH_U_source_of_current_hall_crossboard_1_1H_C131 meas_chH_U_source_of_current_hall_crossboard_1_1H_C133 meas_chH_U_source_of_current_hall_crossboard_1_1H_C134 meas_chH_U_source_of_current_hall_crossboard_1_1H_C135 meas_chH_U_source_of_current_hall_crossboard_1_1H_C141 meas_chH_U_source_of_current_hall_crossboard_1_1H_C142: library part Capacitor_ST, "Capacitor 0402 / 0603 / 0805", Revision="July-2002: Re-released for DXP Platform."
C43 C44 C85: library part Cap_10uF_POL_10%_TANA, "Polarized Capacitor,10uF,10V,10%,typeA,VISHAY", Manuf_1=VISHAY, Manuf_Part_1=293D106X9010A2TE3, ECCN_US/EU=n/a, Revision="July-2002: Re-released for DXP Platform."
CN1: "Header, 4-Pin, Single row", Publisher="Altium Limited", Revision="17-Jul-2002: Re-released for DXP Platform."
CR1 CR2: "USB protection", Mfr_Name=STMicroelectronics, RefDes=RefDes, Type=Type
D1 D2 D3 D8: library part LED0603, "Чип светодиод 0603", Device=LED0603, Pkg=SMD0603, Price=10, SMD Solders=2, Solder Option=RM, Vendor=KB
DD1: "USB-UART driver", Package=DFN_12-0.45, Device=FT234XD, SMD Solders=7, THD Solders=0, Unit Price=2, Vendor=FTDI
DD2: library part ADM3251, "Driver UART-RS232", Package=SOICW20, Device=ADM3251, SMD Solder=20, SolderOption=0, THD Solder=0, Unit_Price=1200, Unit Price=6, Vendor="Analog Devices"
J6 X2: "Вилка  PLS 6x2.54", Price=50, SolderOption=Norm, Vendor="TE Connectivity"
J7: library part "Connector 9 Female", "Connector 9 Female", SMD Solders=0, Solder Option=0, THD Solders=11
J8: library part AMPHENOL_RJHSE-5381, "1 Port, 8 Positions, CAT5 RJ45 Modular Connector With Yellow And Green LEDs"
L1 L2 L4 L6 L17 L18 L19 meas_chA_L3 meas_chB_L3 meas_chC_L3 meas_chD_L3 meas_chE_L3 meas_chF_L3 meas_chG_L3 meas_chH_L3: library part BLM21, "SMD Ferrite bead 0805", Device=BLM21, Pkg=SMD0805, Price=10, SMD Solders=2, Solder Option=RM, Vendor=Vishay
L5: library part Inductor, "Inductor", Published=8-Jun-2000, Publisher="Altium Limited", Revision="July-2002: Re-released for DXP Platform."
meas_chA_J3 meas_chB_J3 meas_chC_J3 meas_chD_J3 meas_chE_J3 meas_chF_J3 meas_chG_J3 meas_chH_J3: library part D_SUB_9M, "Вилка  DSUB 9 угловая", Device=DBR-9M, Name to order="DRB- 9MA (DBR-9M) (DS1037-9M)", Price=50, SMD Solders=0, Solder Option=RM, THD Solders=11, Vendor=Connfly
meas_chA_J4 meas_chB_J4 meas_chC_J4 meas_chD_J4 meas_chE_J4 meas_chF_J4 meas_chG_J4 meas_chH_J4: library part PLS3, "PLS3", Device=PLS2, Price=1, SMD Solders=0, Solder Option=RM, THD Solders=2, Vendor=Confly
meas_chA_R77 meas_chA_R79 meas_chA_R81 meas_chA_R83 meas_chA_R85 meas_chA_R90 meas_chA_U_source_of_current_hall_crossboard_1_1A_R13 meas_chA_U_source_of_current_hall_crossboard_1_1A_R86 meas_chB_R77 meas_chB_R79 meas_chB_R81 meas_chB_R83 meas_chB_R85 meas_chB_R90 meas_chB_U_source_of_current_hall_crossboard_1_1B_R13 meas_chB_U_source_of_current_hall_crossboard_1_1B_R86 meas_chC_R77 meas_chC_R79 meas_chC_R81 meas_chC_R83 meas_chC_R85 meas_chC_R90 meas_chC_U_source_of_current_hall_crossboard_1_1C_R13 meas_chC_U_source_of_current_hall_crossboard_1_1C_R86 meas_chD_R77 meas_chD_R79 meas_chD_R81 meas_chD_R83 meas_chD_R85 meas_chD_R90 meas_chD_U_source_of_current_hall_crossboard_1_1D_R13 meas_chD_U_source_of_current_hall_crossboard_1_1D_R86 meas_chE_R77 meas_chE_R79 meas_chE_R81 meas_chE_R83 meas_chE_R85 meas_chE_R90 meas_chE_U_source_of_current_hall_crossboard_1_1E_R13 meas_chE_U_source_of_current_hall_crossboard_1_1E_R86 meas_chF_R77 meas_chF_R79 meas_chF_R81 meas_chF_R83 meas_chF_R85 meas_chF_R90 meas_chF_U_source_of_current_hall_crossboard_1_1F_R13 meas_chF_U_source_of_current_hall_crossboard_1_1F_R86 meas_chG_R77 meas_chG_R79 meas_chG_R81 meas_chG_R83 meas_chG_R85 meas_chG_R90 meas_chG_U_source_of_current_hall_crossboard_1_1G_R13 meas_chG_U_source_of_current_hall_crossboard_1_1G_R86 meas_chH_R77 meas_chH_R79 meas_chH_R81 meas_chH_R83 meas_chH_R85 meas_chH_R90 meas_chH_U_source_of_current_hall_crossboard_1_1H_R13 meas_chH_U_source_of_current_hall_crossboard_1_1H_R86 R1 R2 R3 R4 R14 R15 R16 R17 R18 R19 R20 R21 R22 R23 R24 R25 R26 R27 R28 R29 R30 R31 R32 R34 R35 R36 R37 R38 R40 R41 R42 R43 R44 R45 R46 R47 R48 R49 R50 R51 R52 R54 R55 R56 R57 R58 R63 R69 R71 R73 R75 R87 R88 R89 R92 R93 R95 R96 R97 R98 R99 R100 R101 R103 R105 R106 R107: library part Resistor_ST, "Resistor 0402 / 0603 / 0805"
meas_chA_TP1 meas_chA_TP3 meas_chA_TP16 meas_chA_TP17 meas_chA_U_source_of_current_hall_crossboard_1_1A_TP14 meas_chA_U_source_of_current_hall_crossboard_1_1A_TP15 meas_chB_TP1 meas_chB_TP3 meas_chB_TP16 meas_chB_TP17 meas_chB_U_source_of_current_hall_crossboard_1_1B_TP14 meas_chB_U_source_of_current_hall_crossboard_1_1B_TP15 meas_chC_TP1 meas_chC_TP3 meas_chC_TP16 meas_chC_TP17 meas_chC_U_source_of_current_hall_crossboard_1_1C_TP14 meas_chC_U_source_of_current_hall_crossboard_1_1C_TP15 meas_chD_TP1 meas_chD_TP3 meas_chD_TP16 meas_chD_TP17 meas_chD_U_source_of_current_hall_crossboard_1_1D_TP14 meas_chD_U_source_of_current_hall_crossboard_1_1D_TP15 meas_chE_TP1 meas_chE_TP3 meas_chE_TP16 meas_chE_TP17 meas_chE_U_source_of_current_hall_crossboard_1_1E_TP14 meas_chE_U_source_of_current_hall_crossboard_1_1E_TP15 meas_chF_TP1 meas_chF_TP3 meas_chF_TP16 meas_chF_TP17 meas_chF_U_source_of_current_hall_crossboard_1_1F_TP14 meas_chF_U_source_of_current_hall_crossboard_1_1F_TP15 meas_chG_TP1 meas_chG_TP3 meas_chG_TP16 meas_chG_TP17 meas_chG_U_source_of_current_hall_crossboard_1_1G_TP14 meas_chG_U_source_of_current_hall_crossboard_1_1G_TP15 meas_chH_TP1 meas_chH_TP3 meas_chH_TP16 meas_chH_TP17 meas_chH_U_source_of_current_hall_crossboard_1_1H_TP14 meas_chH_U_source_of_current_hall_crossboard_1_1H_TP15: library part OscTP, "Контрольная точка для подключения осциллографа короткой землёй", Price=0, SolderOption=PCB, Vendor=PCB
  meas_chA_U_source_of_current_hall_crossboard_1_1A_TP14 meas_chA_U_source_of_current_hall_crossboard_1_1A_TP15 meas_chB_U_source_of_current_hall_crossboard_1_1B_TP14 meas_chB_U_source_of_current_hall_crossboard_1_1B_TP15 meas_chC_U_source_of_current_hall_crossboard_1_1C_TP14 meas_chC_U_source_of_current_hall_crossboard_1_1C_TP15 meas_chD_U_source_of_current_hall_crossboard_1_1D_TP14 meas_chD_U_source_of_current_hall_crossboard_1_1D_TP15 meas_chE_U_source_of_current_hall_crossboard_1_1E_TP14 meas_chE_U_source_of_current_hall_crossboard_1_1E_TP15 meas_chF_U_source_of_current_hall_crossboard_1_1F_TP14 meas_chF_U_source_of_current_hall_crossboard_1_1F_TP15 meas_chG_U_source_of_current_hall_crossboard_1_1G_TP14 meas_chG_U_source_of_current_hall_crossboard_1_1G_TP15 meas_chH_U_source_of_current_hall_crossboard_1_1H_TP14 meas_chH_U_source_of_current_hall_crossboard_1_1H_TP15: Step=2
meas_chA_U6 meas_chB_U6 meas_chC_U6 meas_chD_U6 meas_chE_U6 meas_chF_U6 meas_chG_U6 meas_chH_U6 U1: "No Description Available", Mfr_Name="Analog Devices Inc", RefDes=RefDes
  meas_chA_U6 meas_chB_U6 meas_chC_U6 meas_chD_U6 meas_chE_U6 meas_chF_U6 meas_chG_U6 meas_chH_U6: Digi-Key_Part_Number_1=505-ADA4254ACPZ-R7TR-ND, Type=Type
  U1: Type="Data Acquisition"
meas_chA_U_source_of_current_hall_crossboard_1_1A_R84 meas_chB_U_source_of_current_hall_crossboard_1_1B_R84 meas_chC_U_source_of_current_hall_crossboard_1_1C_R84 meas_chD_U_source_of_current_hall_crossboard_1_1D_R84 meas_chE_U_source_of_current_hall_crossboard_1_1E_R84 meas_chF_U_source_of_current_hall_crossboard_1_1F_R84 meas_chG_U_source_of_current_hall_crossboard_1_1G_R84 meas_chH_U_source_of_current_hall_crossboard_1_1H_R84: library part Resistor_ST, "Resistor 0402 / 0603 / 080"
meas_chA_U_source_of_current_hall_crossboard_1_1A_U9 meas_chB_U_source_of_current_hall_crossboard_1_1B_U9 meas_chC_U_source_of_current_hall_crossboard_1_1C_U9 meas_chD_U_source_of_current_hall_crossboard_1_1D_U9 meas_chE_U_source_of_current_hall_crossboard_1_1E_U9 meas_chF_U_source_of_current_hall_crossboard_1_1F_U9 meas_chG_U_source_of_current_hall_crossboard_1_1G_U9 meas_chH_U_source_of_current_hall_crossboard_1_1H_U9: "Single, 11MHz, Single Supply, Low Noise, Precision, Rail-to-Rail Output, JFET Amplifier 8-VSSOP -40 to 125", Package="VSSOP-8 Texas Instruments", Availability=Good, Check_prices=https://www.snapeda.com/parts/OPA140AIDGKT/Texas%20Instruments/view-part/515779/?ref=eda, MF="Texas Instruments", MP=OPA140AIDGKT, Price=None, Purchase-URL=https://pricing.snapeda.com/search/part/OPA140AIDGKT/?ref=eda, SnapEDA_Link=https://www.snapeda.com/parts/OPA140AIDGKT/Texas%20Instruments/view-part/515779/?ref=snap
meas_chA_U_source_of_current_hall_crossboard_1_1A_U20 meas_chB_U_source_of_current_hall_crossboard_1_1B_U20 meas_chC_U_source_of_current_hall_crossboard_1_1C_U20 meas_chD_U_source_of_current_hall_crossboard_1_1D_U20 meas_chE_U_source_of_current_hall_crossboard_1_1E_U20 meas_chF_U_source_of_current_hall_crossboard_1_1F_U20 meas_chG_U_source_of_current_hall_crossboard_1_1G_U20 meas_chH_U_source_of_current_hall_crossboard_1_1H_U20: library part LTC6655BHMS8-5#PBF, "Series Voltage Reference IC Fixed 5V V A±0.025% 5 mA 8-MSOP", Package=None, Availability="In Stock", Check_prices=https://www.snapeda.com/parts/LTC6655BHMS8-5%23PBF/Analog+Devices/view-part/?ref=eda, MF="Analog Devices", MP=LTC6655BHMS8-5#PBF, Price=None, Purchase-URL=https://pricing.snapeda.com/search/part/LTC6655BHMS8-5#PBF/?ref=eda, SnapEDA_Link=https://www.snapeda.com/parts/LTC6655BHMS8-5%23PBF/Analog+Devices/view-part/?ref=snap
Q1: "Optotransistor", Current=0, Voltage=35V, Device=817B, Name to order=817B, Pkg=DIP4, Price=10, SMD Solders=0, Solder Option=RM, THD Solders=4, Vendor=UMW
R39: library part Resistor_ST, "Resistor", Ordered by=Subcon, Published=8-Jun-2000, Publisher="Altium Limited", Revision="July-2002: Re-released for DXP Platform."
R53: library part Res_1K5_1%_0402, "Resistor,1K5,0402,1%,YAGEO", Manuf_1=YAGEO, Manuf_Part_1=RC0402FR-071K5L, Distrib=FARNELL, ECCN_US/EU=n/a, Order=RC0402FR-071K5L
R94: library part Resistor_ST, "Resistor 0402 / 0603 / 0805 c2"
T1: "Isolation and Data Interface _Encapsulated_ Pulse Transformer 1CT:1CT Surface Mount", Package="Pulse Electronics", Availability=Unavailable, MF="Pulse Electronics", MP=H5007NL-T, Price=None, SnapEDA_Link=https://www.snapeda.com/parts/H5007NL-T/Pulse%20Electronics%20Network/view-part/2770413/?ref=snap
T4: library part BC846, "Bipolar transistor"
U2: "No Description Available", Mfr_Name=STMicroelectronics, RefDes=RefDes, Type=Type
U19: library part IS42S32400F/IS45S32400F, "4M x 32 / 128Mb SYNCHRONOUS DRAM"
X1: library part XTAL_5032, "Crystal Oscillator", LatestRevisionDate=17-Jul-2002, LatestRevisionNote="Re-released for DXP Platform.", PackageReference=R38, Published=8-Jun-2000, Publisher="Altium Limited"
Y1 Y2: "8 MHz XO (Standard) HCMOS, TTL Oscillator 3.3V Enable/Disable 4-SMD, No Lead", Package="NON STANDARD-4 CTS", Check_prices=https://www.snapeda.com/parts/CB3LV-6C-8M000000/CTS-Frequency+Controls/view-part/?ref=eda, MF="CTS-Frequency Controls", MP=CB3LV-6C-8M000000, SnapEDA_Link=https://www.snapeda.com/parts/CB3LV-6C-8M000000/CTS-Frequency+Controls/view-part/?ref=snap
J9 J11 J12 J13 J14 meas_chA_U_source_of_current_hall_crossboard_1_1A_J10 meas_chB_U_source_of_current_hall_crossboard_1_1B_J10 meas_chC_U_source_of_current_hall_crossboard_1_1C_J10 meas_chD_U_source_of_current_hall_crossboard_1_1D_J10 meas_chE_U_source_of_current_hall_crossboard_1_1E_J10 meas_chF_U_source_of_current_hall_crossboard_1_1F_J10 meas_chG_U_source_of_current_hall_crossboard_1_1G_J10 meas_chH_U_source_of_current_hall_crossboard_1_1H_J10: Device=PLS2, Price=1, SMD Solders=0, Solder Option=RM, THD Solders=2, Vendor=Confly

## Nets (pads, with @x,y where several pads share a name; then routed paths per layer and width w, separated by ;. In a path a pad name is that pad's centre, name@x,y a point inside that pad or via, vN(x,y) a via of type N, cw(c..) or ccw(c..) an arc to the next point about the centre after c; other vN are vias at no path point)
"2V5 VOCM AD7768": meas_chA_C48.2 meas_chA_U6.21 meas_chB_C48.2 meas_chB_U6.21 meas_chC_C48.2 meas_chC_U6.21 meas_chD_C48.2 meas_chD_U6.21 meas_chE_C48.2 meas_chE_U6.21 meas_chF_C48.2 meas_chF_U6.21 meas_chG_C48.2 meas_chG_U6.21 meas_chH_C48.2 meas_chH_U6.21 U1.59
"3V3 Digital AD7768, PGA": C5.2 C11.2 C17.2 C103.1 L6.2 L18.2 L19.2 meas_chA_C46.1 meas_chA_R90.2 meas_chA_U6.7 meas_chB_C46.1 meas_chB_R90.2 meas_chB_U6.7 meas_chC_C46.1 meas_chC_R90.2 meas_chC_U6.7 meas_chD_C46.1 meas_chD_R90.2 meas_chD_U6.7 meas_chE_C46.1 meas_chE_R90.2 meas_chE_U6.7 meas_chF_C46.1 meas_chF_R90.2 meas_chF_U6.7 meas_chG_C46.1 meas_chG_R90.2 meas_chG_U6.7 meas_chH_C46.1 meas_chH_R90.2 meas_chH_U6.7 R1.2 R2.2 R15.2 R26.2 R28.2 R94.1 R101.2 U1.32 U1.35 Y1.3 Y1.4 Y2.4
"3V3 Digital MCU": C22.2 C45.2 R69.2 R71.2 R73.2 R75.2 R92.2 R106.2 U2.6 U2.15 U2.26 U2.39 U2.52 U2.59 U2.73 U2.83 U2.94 U2.103 U2.115 U2.124 U2.137 U2.150 U2.158 U2.171 U2.185 U2.204
"3V3 Digital SDRAM": L17.1 R98.2
"3V3 Ethernet": C79.2 L5.2 L6.1 R41.2 R42.2 R43.2 R53.2 R54.1
"3V3 SDRAM": C118.2 C119.2 C120.2 C121.2 C122.2 C123.2 C124.2 C125.2 C126.2 C127.2 C128.2 C129.1 L17.2 U19.1 U19.3 U19.9 U19.15 U19.29 U19.35 U19.41 U19.43 U19.49 U19.55 U19.75 U19.81
"3V3 ST-link": C97.2 J9.2 L18.1
"3V3 USB protection": CR1.5 CR2.5 L19.1 T4.3
3V9: meas_chA_U6.4 meas_chB_U6.4 meas_chC_U6.4 meas_chD_U6.4 meas_chE_U6.4 meas_chF_U6.4 meas_chG_U6.4 meas_chH_U6.4
4V096ref: C15.1 C16.2 C20.1 C21.2 meas_chA_U6.3 meas_chB_U6.3 meas_chC_U6.3 meas_chD_U6.3 meas_chE_U6.3 meas_chF_U6.3 meas_chG_U6.3 meas_chH_U6.3 U1.6 U1.43
5Vin: C60.2 C72.2 C111.2 C116.2 C130.2 DD2.2 DD2.3 L1.2 R93.1 R97.1 R100.1 R105.1
"5Vin PoE": 
"+5V PGA, AD7768, ref": C1.1 C2.2 C3.2 C7.1 C8.2 C9.2 C13.1 C18.1 meas_chA_L3.1 meas_chB_L3.1 meas_chC_L3.1 meas_chD_L3.1 meas_chE_L3.1 meas_chF_L3.1 meas_chG_L3.1 meas_chH_L3.1 R95.2 U1.4 U1.45 U1.53 U1.60
+5V_ISO: C58.2 L2.1
+8V_A: meas_chA_C49.2 meas_chA_C55.1 meas_chA_U6.26 meas_chB_C49.2 meas_chB_C55.1 meas_chB_U6.26 meas_chC_C49.2 meas_chC_C55.1 meas_chC_U6.26 meas_chD_C49.2 meas_chD_C55.1 meas_chD_U6.26 meas_chE_C49.2 meas_chE_C55.1 meas_chE_U6.26 meas_chF_C49.2 meas_chF_C55.1 meas_chF_U6.26 meas_chG_C49.2 meas_chG_C55.1 meas_chG_U6.26 meas_chH_C49.2 meas_chH_C55.1 meas_chH_U6.26
-8V_A: meas_chA_C50.2 meas_chA_C56.2 meas_chA_U6.27 meas_chA_U_source_of_current_hall_crossboard_1_1A_C107.1 meas_chA_U_source_of_current_hall_crossboard_1_1A_C109.1 meas_chA_U_source_of_current_hall_crossboard_1_1A_C135.1 meas_chA_U_source_of_current_hall_crossboard_1_1A_C142.1 meas_chA_U_source_of_current_hall_crossboard_1_1A_R86.1 meas_chA_U_source_of_current_hall_crossboard_1_1A_U9.4 meas_chB_C50.2 meas_chB_C56.2 meas_chB_U6.27 meas_chB_U_source_of_current_hall_crossboard_1_1B_C107.1 meas_chB_U_source_of_current_hall_crossboard_1_1B_C109.1 meas_chB_U_source_of_current_hall_crossboard_1_1B_C135.1 meas_chB_U_source_of_current_hall_crossboard_1_1B_C142.1 meas_chB_U_source_of_current_hall_crossboard_1_1B_R86.1 meas_chB_U_source_of_current_hall_crossboard_1_1B_U9.4 meas_chC_C50.2 meas_chC_C56.2 meas_chC_U6.27 meas_chC_U_source_of_current_hall_crossboard_1_1C_C107.1 meas_chC_U_source_of_current_hall_crossboard_1_1C_C109.1 meas_chC_U_source_of_current_hall_crossboard_1_1C_C135.1 meas_chC_U_source_of_current_hall_crossboard_1_1C_C142.1 meas_chC_U_source_of_current_hall_crossboard_1_1C_R86.1 meas_chC_U_source_of_current_hall_crossboard_1_1C_U9.4 meas_chD_C50.2 meas_chD_C56.2 meas_chD_U6.27 meas_chD_U_source_of_current_hall_crossboard_1_1D_C107.1 meas_chD_U_source_of_current_hall_crossboard_1_1D_C109.1 meas_chD_U_source_of_current_hall_crossboard_1_1D_C135.1 meas_chD_U_source_of_current_hall_crossboard_1_1D_C142.1 meas_chD_U_source_of_current_hall_crossboard_1_1D_R86.1 meas_chD_U_source_of_current_hall_crossboard_1_1D_U9.4 meas_chE_C50.2 meas_chE_C56.2 meas_chE_U6.27 meas_chE_U_source_of_current_hall_crossboard_1_1E_C107.1 meas_chE_U_source_of_current_hall_crossboard_1_1E_C109.1 meas_chE_U_source_of_current_hall_crossboard_1_1E_C135.1 meas_chE_U_source_of_current_hall_crossboard_1_1E_C142.1 meas_chE_U_source_of_current_hall_crossboard_1_1E_R86.1 meas_chE_U_source_of_current_hall_crossboard_1_1E_U9.4 meas_chF_C50.2 meas_chF_C56.2 meas_chF_U6.27 meas_chF_U_source_of_current_hall_crossboard_1_1F_C107.1 meas_chF_U_source_of_current_hall_crossboard_1_1F_C109.1 meas_chF_U_source_of_current_hall_crossboard_1_1F_C135.1 meas_chF_U_source_of_current_hall_crossboard_1_1F_C142.1 meas_chF_U_source_of_current_hall_crossboard_1_1F_R86.1 meas_chF_U_source_of_current_hall_crossboard_1_1F_U9.4 meas_chG_C50.2 meas_chG_C56.2 meas_chG_U6.27 meas_chG_U_source_of_current_hall_crossboard_1_1G_C107.1 meas_chG_U_source_of_current_hall_crossboard_1_1G_C109.1 meas_chG_U_source_of_current_hall_crossboard_1_1G_C135.1 meas_chG_U_source_of_current_hall_crossboard_1_1G_C142.1 meas_chG_U_source_of_current_hall_crossboard_1_1G_R86.1 meas_chG_U_source_of_current_hall_crossboard_1_1G_U9.4 meas_chH_C50.2 meas_chH_C56.2 meas_chH_U6.27 meas_chH_U_source_of_current_hall_crossboard_1_1H_C107.1 meas_chH_U_source_of_current_hall_crossboard_1_1H_C109.1 meas_chH_U_source_of_current_hall_crossboard_1_1H_C135.1 meas_chH_U_source_of_current_hall_crossboard_1_1H_C142.1 meas_chH_U_source_of_current_hall_crossboard_1_1H_R86.1 meas_chH_U_source_of_current_hall_crossboard_1_1H_U9.4
AD7768_CS: R25.1 R26.1 U1.16
AD7768_D_OUT0: R16.2 U2.65
AD7768_D_OUT1: R17.2 U2.66
AD7768_D_OUT2: R18.2 U2.67
AD7768_D_OUT3: R20.2 U2.68
AD7768_D_OUT4: R22.2 U2.69
AD7768_D_OUT5: R24.2 U2.95
AD7768_D_OUT6: R29.2 U2.118
AD7768_D_OUT7: R30.2 U2.119
AD7768_DCLK: R31.1 U1.28
AD7768_DOUT0: R16.1 U1.27
AD7768_DOUT1: R17.1 U1.26
AD7768_DOUT2: R18.1 U1.25
AD7768_DOUT3: R20.1 U1.24
AD7768_DOUT4: R22.1 U1.23
AD7768_DOUT5: R24.1 U1.22
AD7768_DOUT6: R29.1 U1.21
AD7768_DOUT7: R30.1 U1.20
AD7768_DR: R19.1 U1.29
AD7768_MOSI: R21.1 U1.18
AD7768_RESET: R27.1 R28.1 U1.30
AD7768_SCLK: R23.1 U1.17
AD7768_SDO: U1.19
AD7768_START: R4.1 R15.1 U1.37
ADA4254_CS: meas_chA_R85.1 meas_chB_R85.1 meas_chC_R85.1 meas_chD_R85.1 meas_chE_R85.1 meas_chF_R85.1 meas_chG_R85.1 meas_chH_R85.1 U2.38
ADA4254_PGIO0: meas_chA_U6.18 meas_chB_U6.18 meas_chC_U6.18 meas_chD_U6.18 meas_chE_U6.18 meas_chF_U6.18 meas_chG_U6.18 meas_chH_U6.18 U2.141
ADA4254_PGIO1: meas_chA_U6.17 meas_chB_U6.17 meas_chC_U6.17 meas_chD_U6.17 meas_chE_U6.17 meas_chF_U6.17 meas_chG_U6.17 meas_chH_U6.17 U2.161
ADA4254_PGIO2: meas_chA_U6.16 meas_chB_U6.16 meas_chC_U6.16 meas_chD_U6.16 meas_chE_U6.16 meas_chF_U6.16 meas_chG_U6.16 meas_chH_U6.16 U2.162
ADA4254_PGIO3: meas_chA_U6.15 meas_chB_U6.15 meas_chC_U6.15 meas_chD_U6.15 meas_chE_U6.15 meas_chF_U6.15 meas_chG_U6.15 meas_chH_U6.15 U2.163
ADA4254_PGIO4: meas_chA_U6.14 meas_chB_U6.14 meas_chC_U6.14 meas_chD_U6.14 meas_chE_U6.14 meas_chF_U6.14 meas_chG_U6.14 meas_chH_U6.14 U2.8
ADG1607_A0: U2.138
ADG1607_A1: U2.139
ADG1609_A0: 
ADG1609_A1: 
AGND: C42.1
cfg0: J11.2 R69.1 U2.27
cfg1: J12.2 R71.1 U2.28
cfg2: J13.2 R73.1 U2.29
cfg3: J14.2 R75.1 U2.30
GND_ISO: C25.1 C58.1 Q1.2
GND_RS232: C73.1 C74.1 C75.1 DD2.11 J7.5 R39.2 R40.1
MCU_AVDD: C42.2 U2.41 U2.42
MCU_VDD: C26.2 C27.2 C28.2 C29.2 C30.2 C31.2 C32.2 C33.2 C34.2 C35.2 C36.2 C37.2 C38.2 C39.2 C40.2 C41.2
meas_chA_+CHall: meas_chA_J3.7 meas_chA_J4.2
meas_chA_-CHall: meas_chA_J3.2 meas_chA_U_source_of_current_hall_crossboard_1_1A_R13.2 meas_chA_U_source_of_current_hall_crossboard_1_1A_TP14.2